# Altium PCB Pi4GPU_v2.PcbDoc (part 1 of 4)
Units mm, origin at the board's own origin, x right, y up, seen from the top; angles counter-clockwise.
Board outline 161.8 x 100 mm, 4 copper layers (L1 [TOP], L2, L3, L4 [BOT]), stack 1.548 mm thick; 279 components, 168 nets, 1059 pads, 1072 vias.
Unrouted connection lines stored in the file: 241.
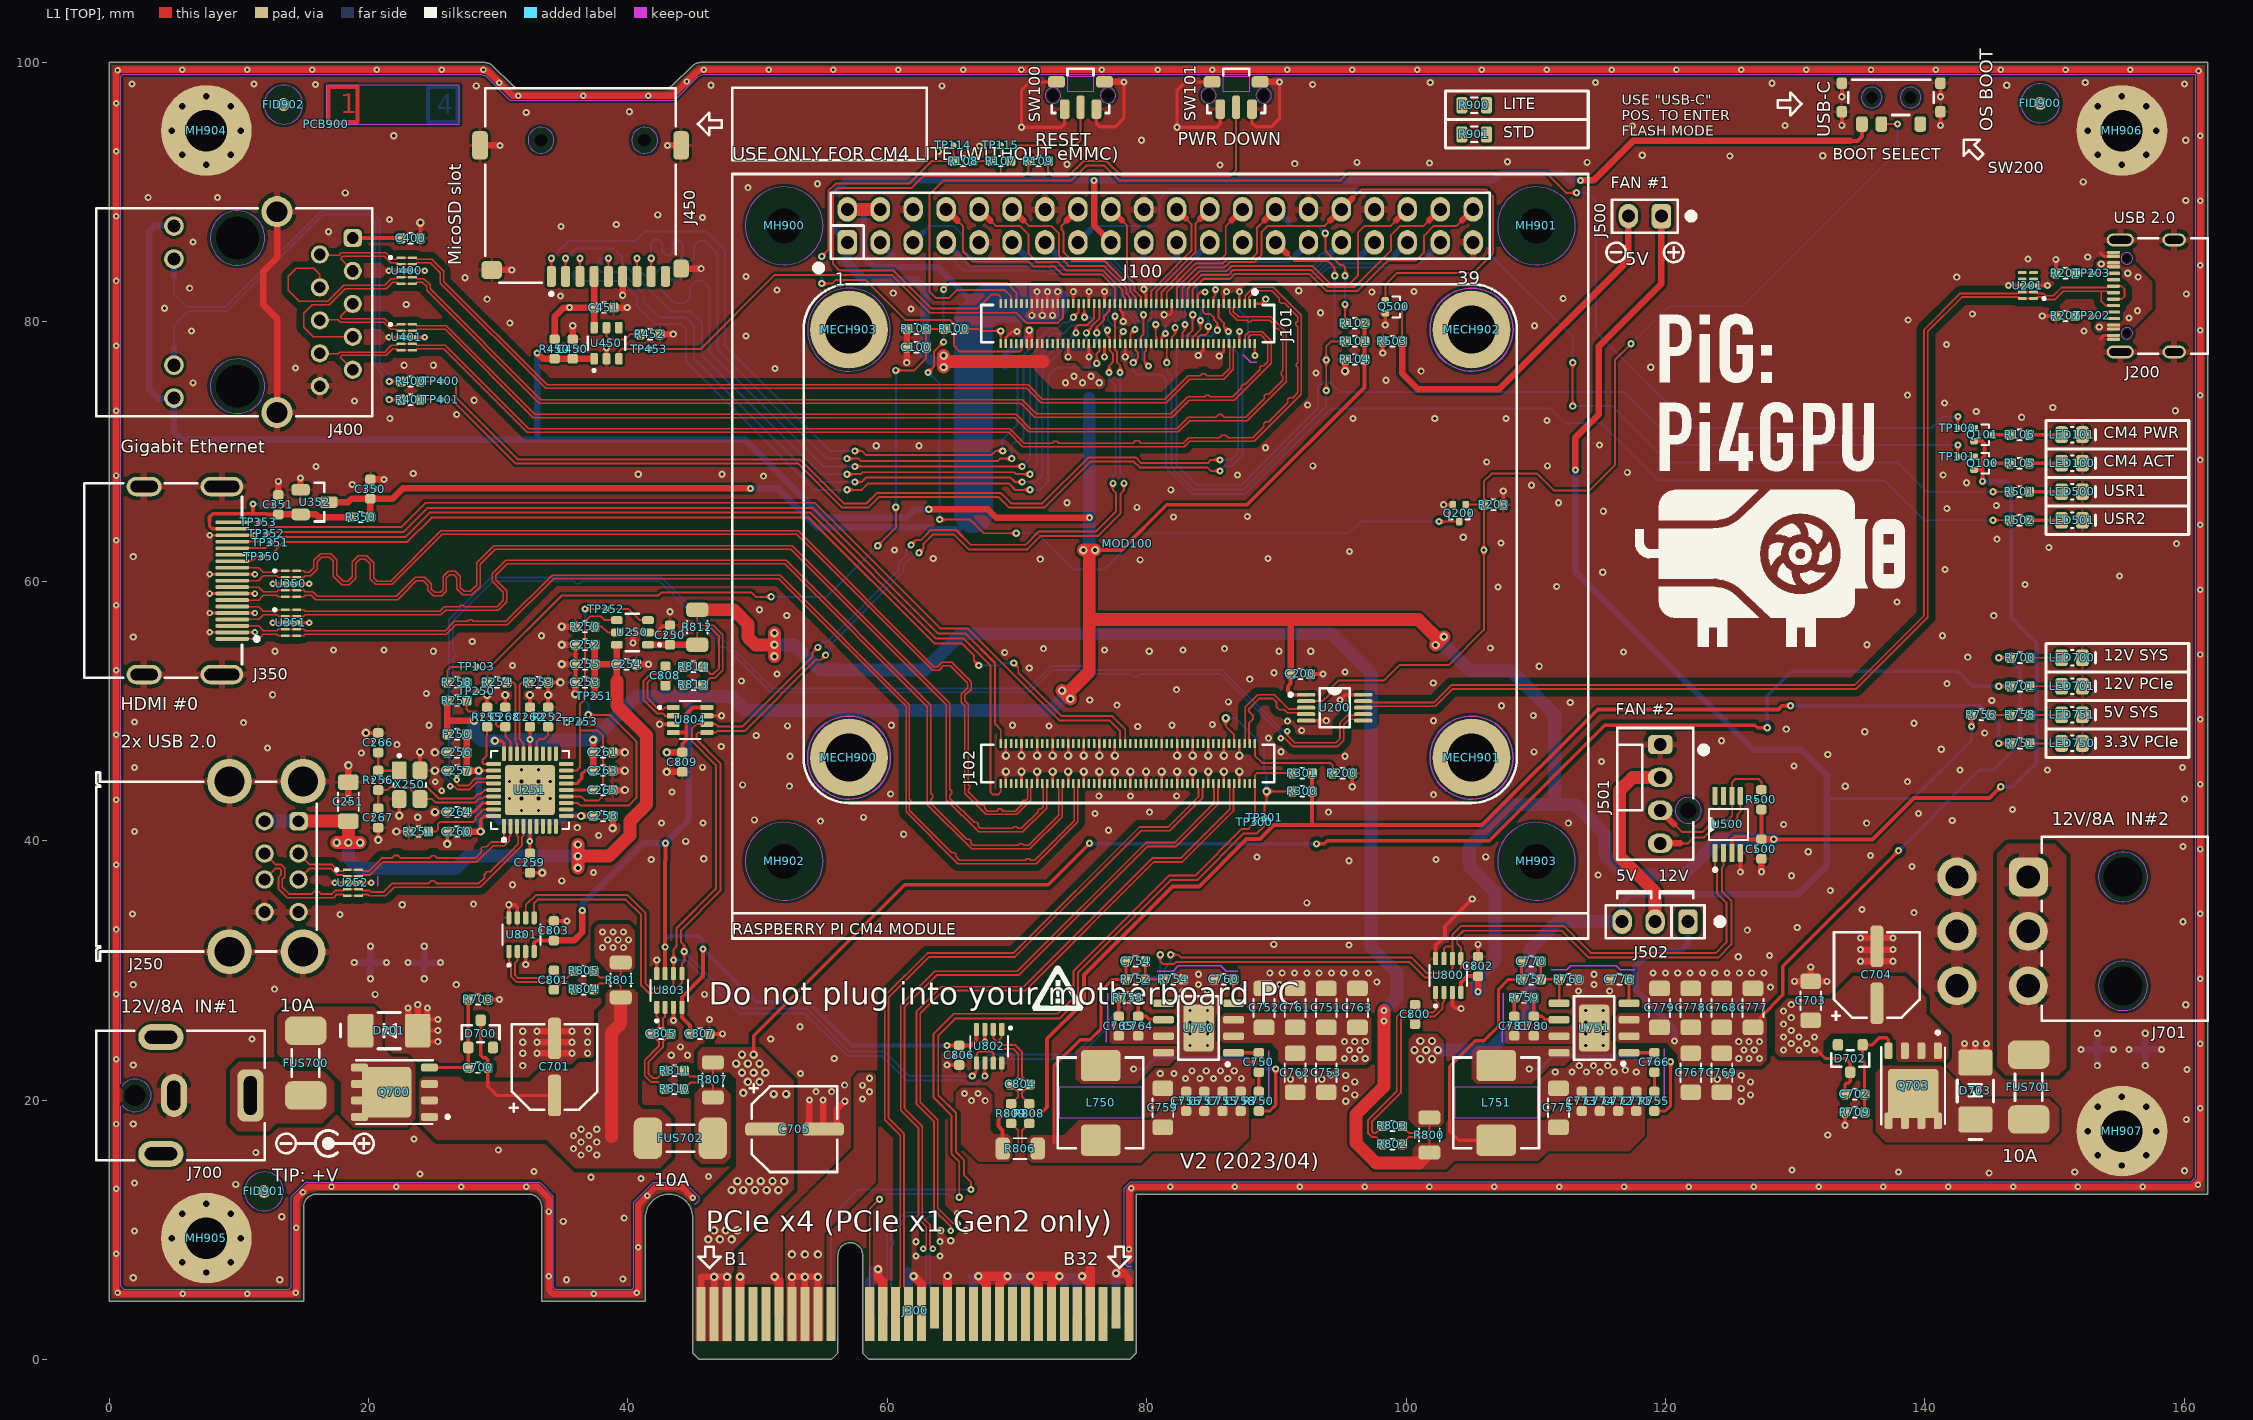
[diagram p0: L1 [TOP] view]
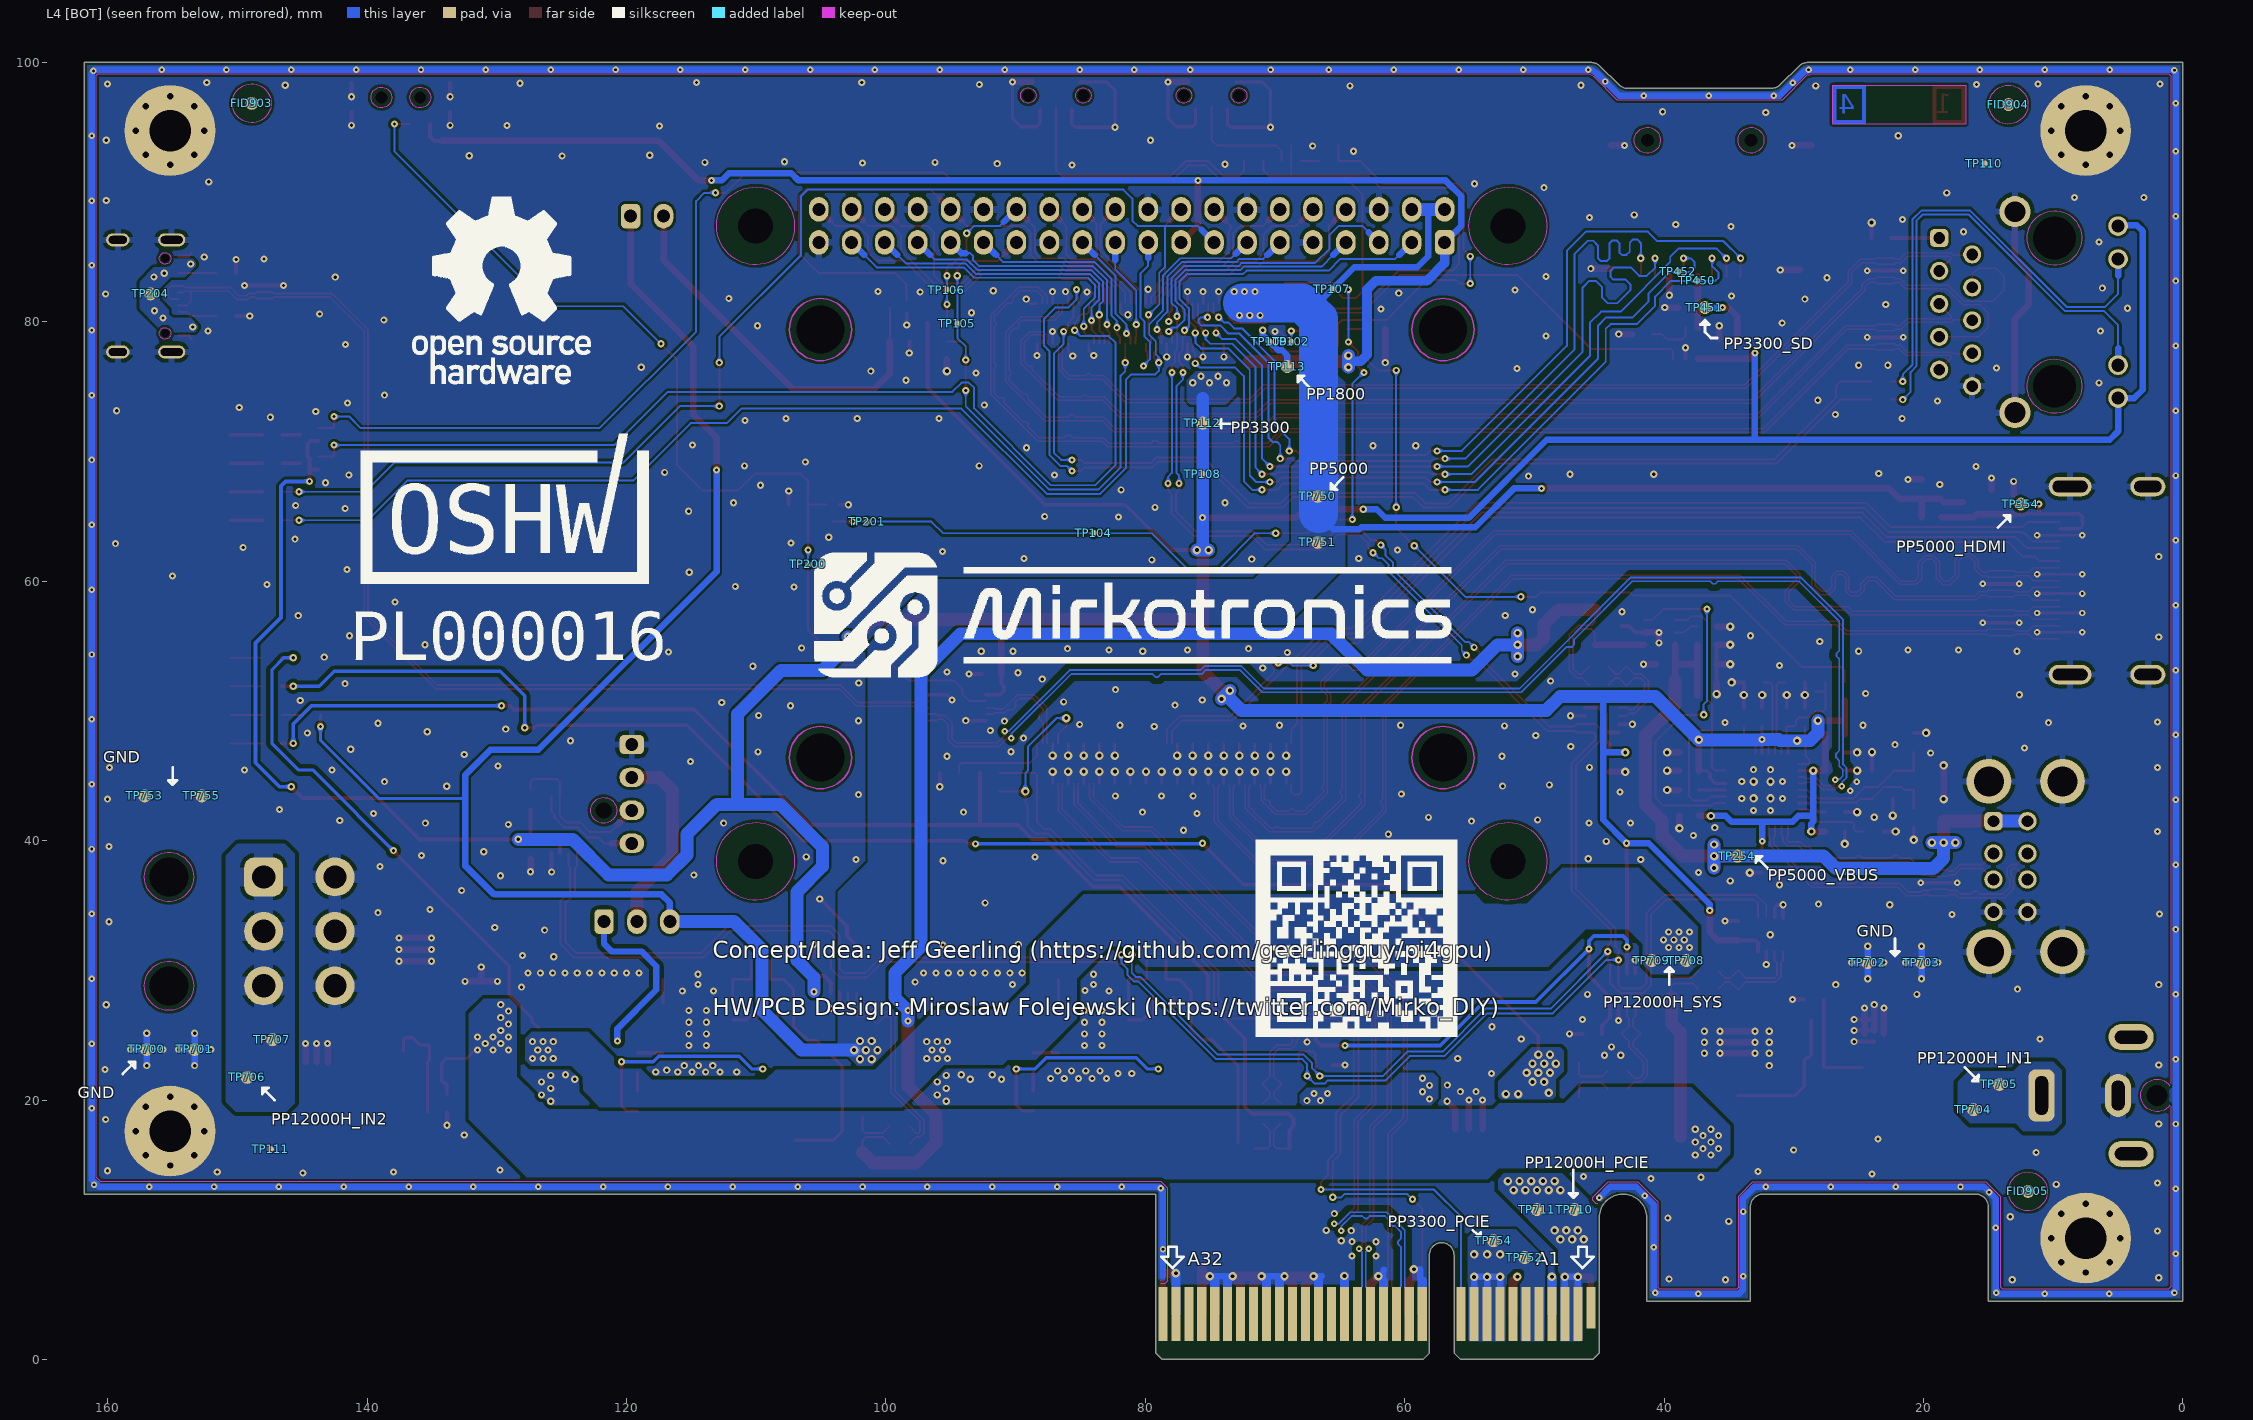
[diagram p1: L4 [BOT] view, seen from below]
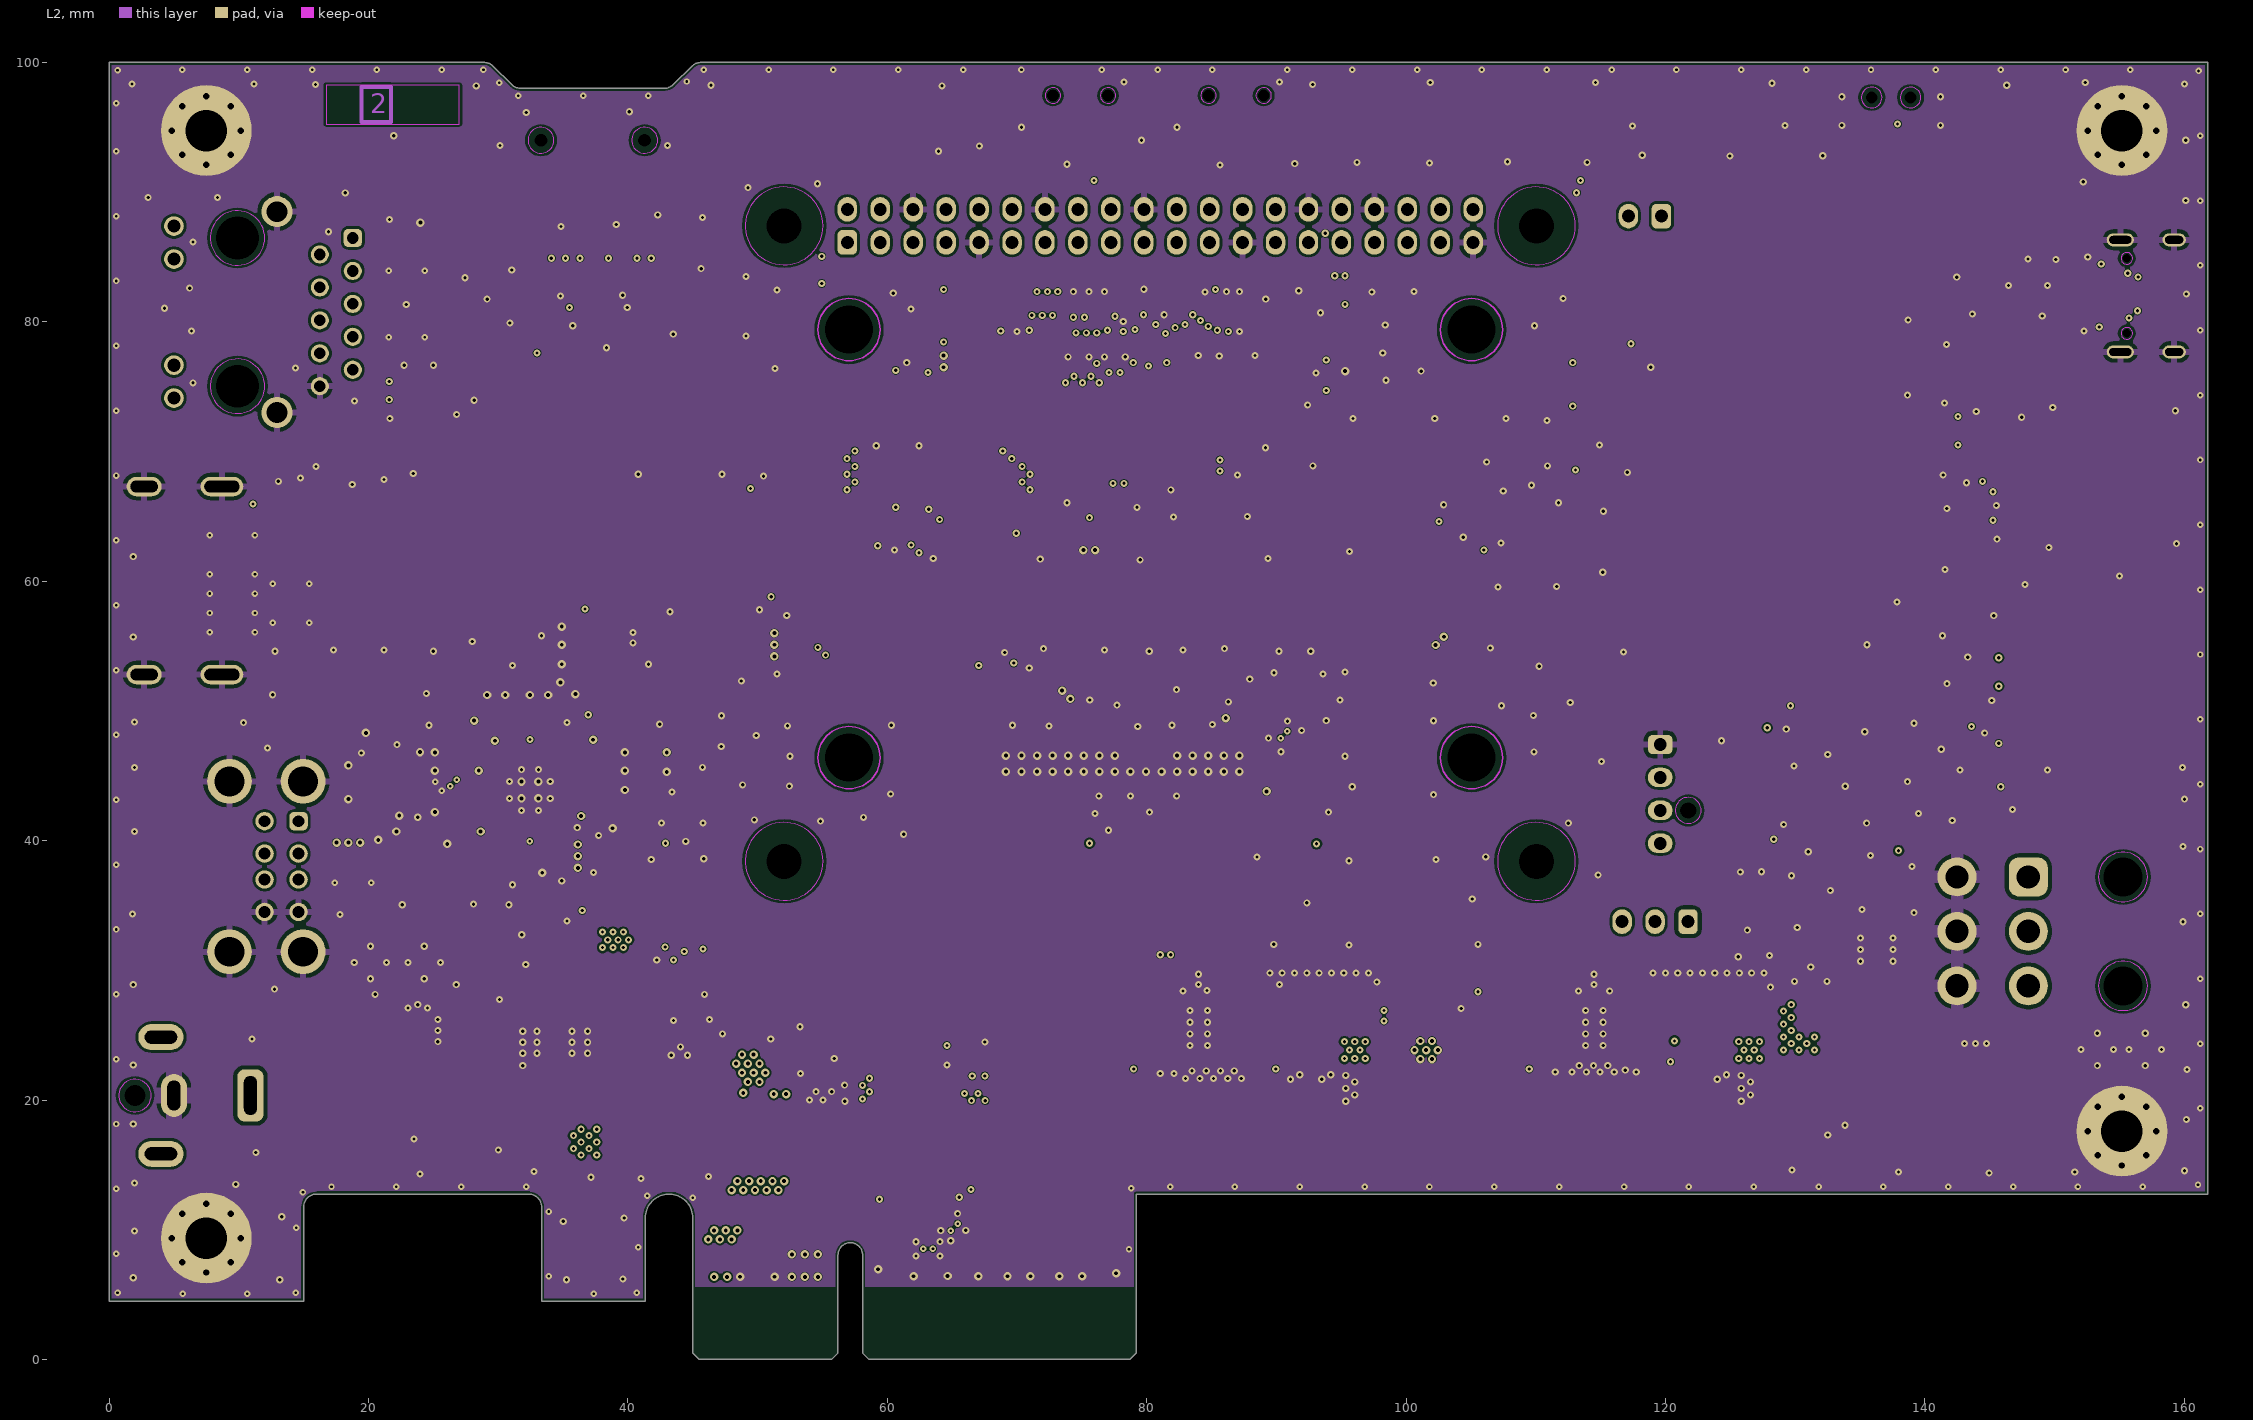
[diagram p2: L2]
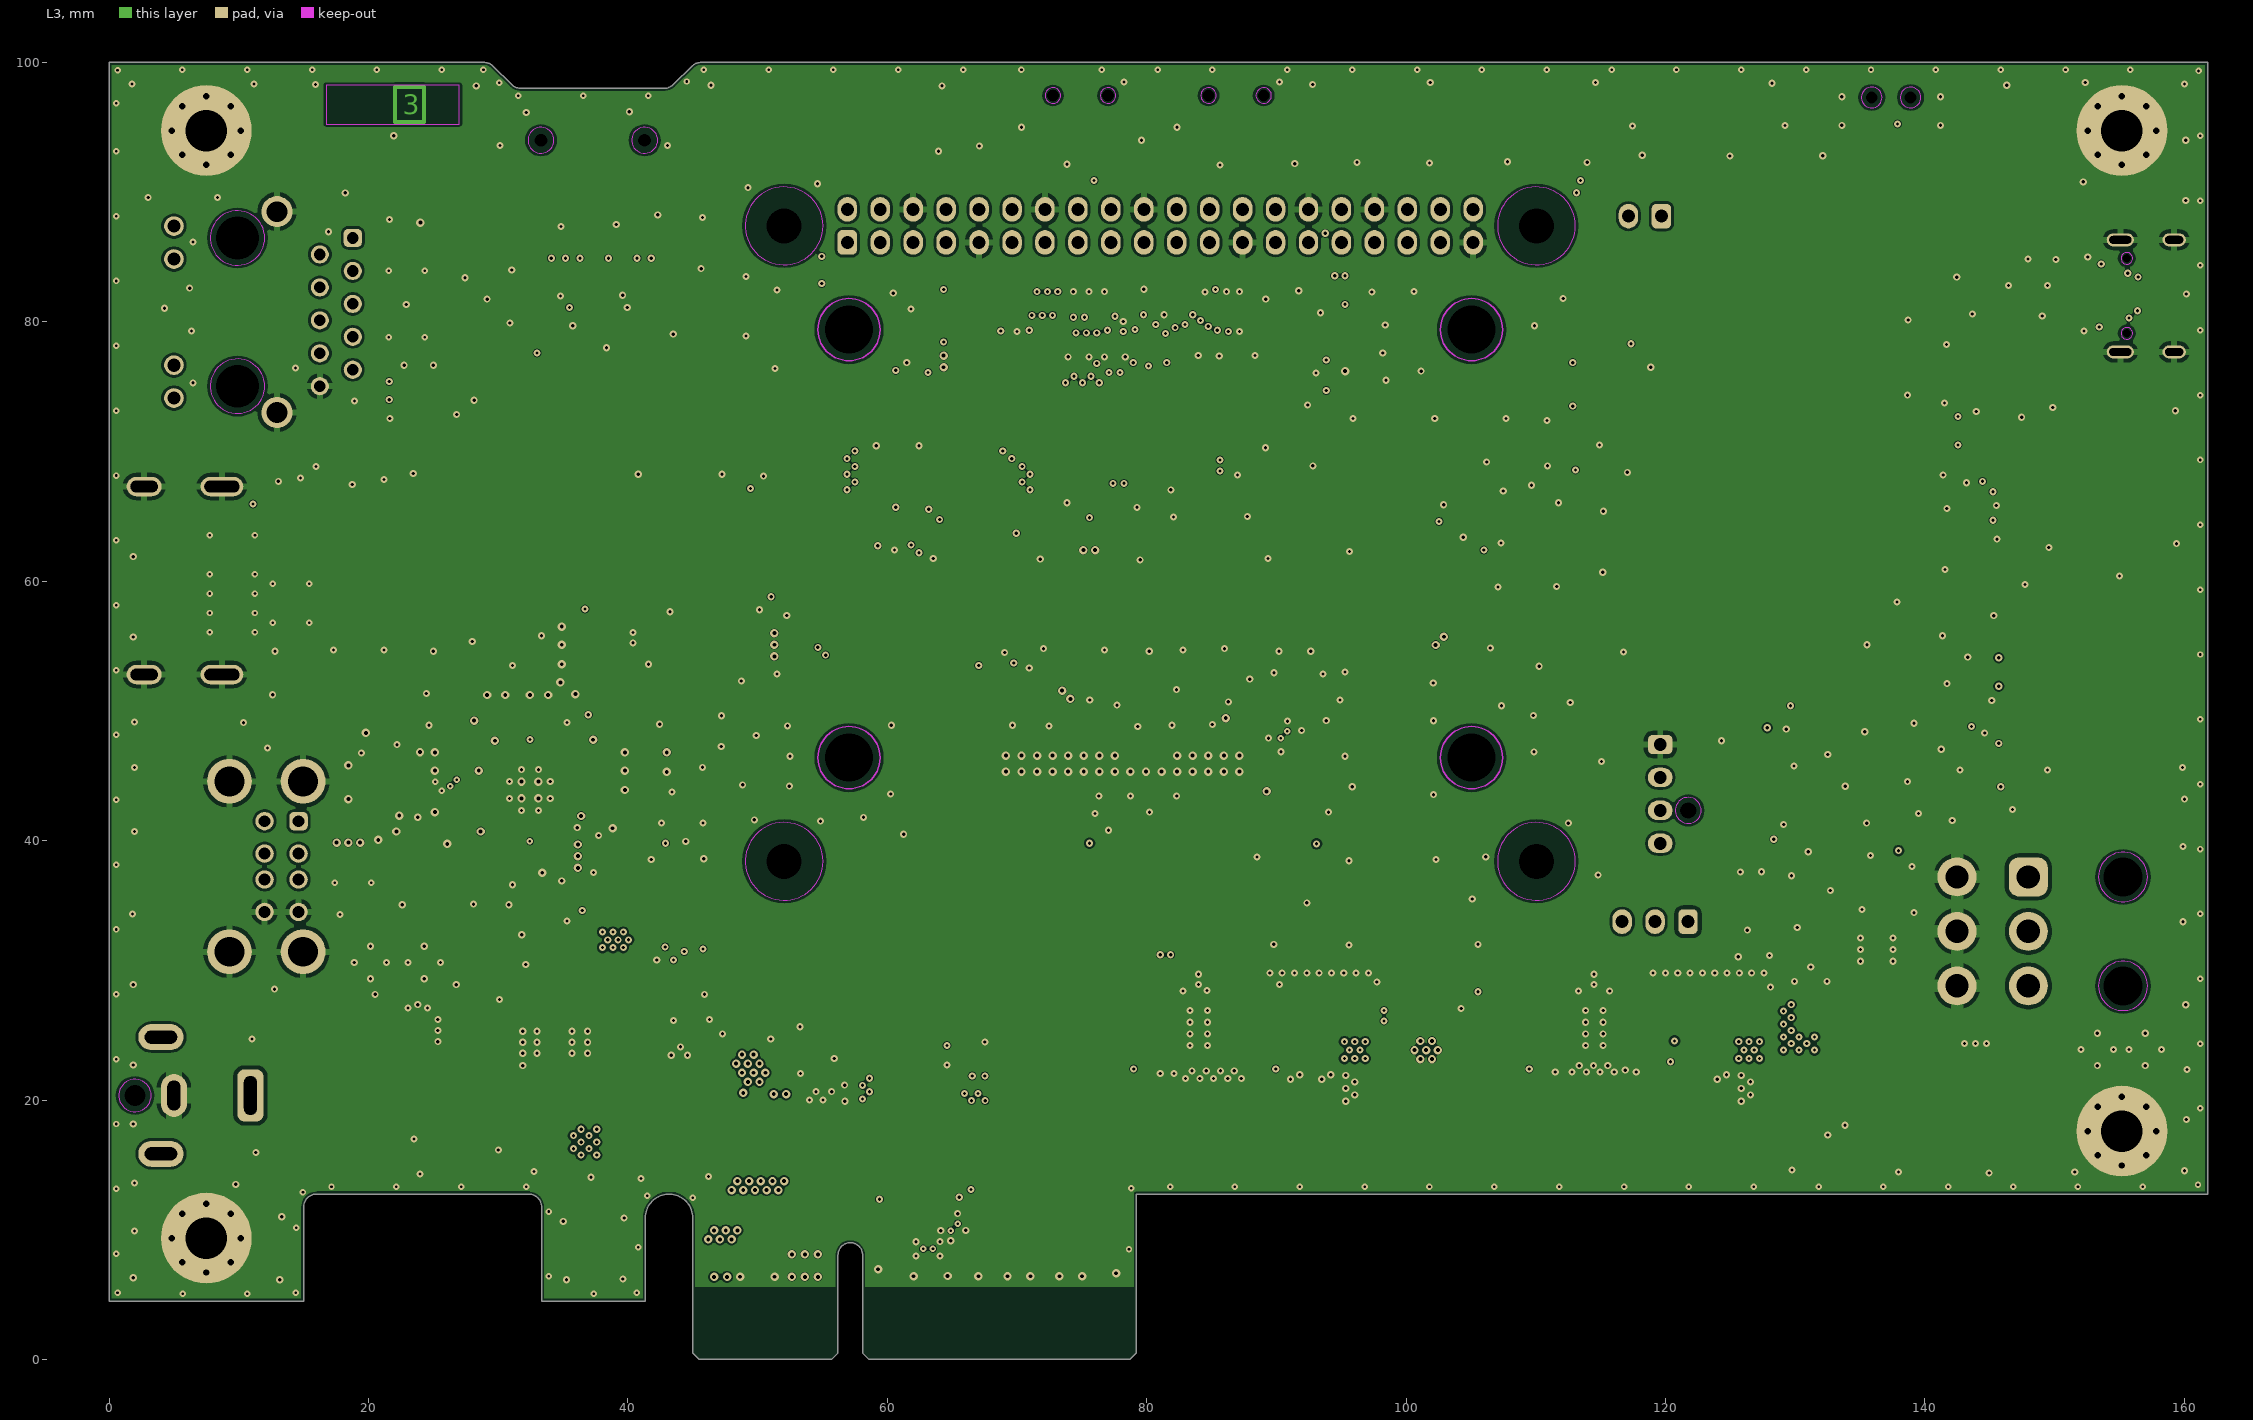
[diagram p3: L3]

## Layer stack, top to bottom
Solder [TOP]: solder mask 0.01, Solder Resist, Dk 3.5
L1 [TOP]: signal copper 0.035
prepreg #1: prepreg 0.089, PP-006, Dk 4.05
L2: signal copper 0.0175
Core: dielectric 1.265, FR-4, Dk 4.05
L3: signal copper 0.0175
prepreg #2: prepreg 0.089, PP-006, Dk 4.05
L4 [BOT]: signal copper 0.035
Solder [BOT]: solder mask 0.01, Solder Resist, Dk 3.5

## Board outline
0,4.5 15,4.5 15,11.75 cw(c16,11.75) 16,12.75 32.35,12.75 cw(c32.35,11.75) 33.35,11.75 33.35,4.5 41.35,4.5 41.35,10.925 cw(c43.175,10.925) 45,10.925 45,0.5 45.5,0 55.7,0 56.2,0.5 56.2,8.05 cw(c57.15,8.05) 58.1,8.05 58.1,0.5 58.6,0 78.7,0 79.2,0.5 79.2,12.75 161.8,12.75 161.8,100 45.65,100 ccw(c45.65,99) 44.943,99.707 43.507,98.293 cw(c42.8,99) 42.8,98 31.75,98 cw(c31.75,99) 31.043,98.293 29.607,99.707 ccw(c28.9,99) 28.9,100 0,100

## Design rules (kind name [scope] priority, off if disabled: settings)
BoardOutlineClearance BoardOutlineClearance_Room_PCIe [WithinRoom('PCIe_TOP') or WithinRoom('PCIe_BOT')] p1: gap=0.1 ignorepadtopadclearanceinfootprint=FALSE
BoardOutlineClearance BoardOutlineClearance_PCIe [InComponent('J300')] p2: gap=0.1 ignorepadtopadclearanceinfootprint=FALSE
BoardOutlineClearance BoardOutlineClearance_PCBEdge [InComponentClass('NearPCBEdge')] p3: gap=0 ignorepadtopadclearanceinfootprint=FALSE
BoardOutlineClearance BoardOutlineClearance_Silk [IsText] p4: gap=0 ignorepadtopadclearanceinfootprint=FALSE
BoardOutlineClearance BoardOutlineClearance_GND [InNet('GND')] p5: gap=0.2 ignorepadtopadclearanceinfootprint=FALSE
BoardOutlineClearance [All] p6: gap=0.2 ignorepadtopadclearanceinfootprint=FALSE
Clearance Clearance_12V_GND [InNetClass('12VDC')] p1: gap=0.3 ignorepadtopadclearanceinfootprint=FALSE
Clearance Clearance_PCB900 [InComponent('PCB900') vs InComponent('PCB900')] p2: gap=0 ignorepadtopadclearanceinfootprint=FALSE
Clearance Clearance_Diff_to_Plane [(InDifferentialPairClass('All Differential Pairs') AND OnLayer('L1 [TOP]')) OR (InDifferentialPairClass('All Differential Pairs') AND OnLayer('L4 [BOT]')) vs (OnLayer('L1 [TOP]') AND InPolygon) OR (OnLayer('L4 [BOT]') AND InPolygon)] p3: gap=0.5 ignorepadtopadclearanceinfootprint=FALSE
Clearance Clearance_Diff [InAnyDifferentialPair vs InAnyDifferentialPair] p4 off: gap=0.75 ignorepadtopadclearanceinfootprint=FALSE // Diff_pair
Clearance Clearance_polygon [InPolygon] p5: gap=0.2 ignorepadtopadclearanceinfootprint=FALSE
Clearance [All] p6: gap=0.15 ignorepadtopadclearanceinfootprint=FALSE
DiffPairsRouting DiffPairsRouting_100R [InDifferentialPairClass('ETH') or InDifferentialPairClass('HDMI')] p1: maxlimit=0.254 minlimit=0.152 mostfreqgap=0.254 toplayer_maxgap=0.152 toplayer_prefgap=0.152 toplayer_minwidth=0.111 toplayer_maxwidth=0.112 toplayer_prefwidth=0.111 midlayer1_minwidth=0.381 midlayer1_maxwidth=0.381 midlayer1_prefwidth=0.381 midlayer2_minwidth=0.381 midlayer2_maxwidth=0.381 midlayer2_prefwidth=0.381 bottomlayer_maxgap=0.152 bottomlayer_prefgap=0.152 bottomlayer_minwidth=0.111 bottomlayer_maxwidth=0.112 bottomlayer_prefwidth=0.111 maxuncoupledlength=12.7 // Camera
DiffPairsRouting DiffPairsRouting_90R [InDifferentialPairClass('USB') or InDifferentialPairClass('PCIE')] p2: maxlimit=0.254 minlimit=0.152 mostfreqgap=0.254 toplayer_maxgap=0.152 toplayer_prefgap=0.152 toplayer_minwidth=0.141 toplayer_maxwidth=0.141 toplayer_prefwidth=0.141 midlayer1_minwidth=0.381 midlayer1_maxwidth=0.381 midlayer1_prefwidth=0.381 midlayer2_minwidth=0.381 midlayer2_maxwidth=0.381 midlayer2_prefwidth=0.381 bottomlayer_maxgap=0.152 bottomlayer_prefgap=0.152 bottomlayer_minwidth=0.141 bottomlayer_maxwidth=0.141 bottomlayer_prefwidth=0.141 maxuncoupledlength=12.7 // USB
DiffPairsRouting [All] p3: maxlimit=0.254 minlimit=0.254 mostfreqgap=0.254 toplayer_minwidth=0.381 toplayer_maxwidth=0.381 toplayer_prefwidth=0.381 midlayer1_minwidth=0.381 midlayer1_maxwidth=0.381 midlayer1_prefwidth=0.381 midlayer2_minwidth=0.381 midlayer2_maxwidth=0.381 midlayer2_prefwidth=0.381 bottomlayer_minwidth=0.381 bottomlayer_maxwidth=0.381 bottomlayer_prefwidth=0.381 maxuncoupledlength=12.7
HoleSize [All] p1: absolutevalues=TRUE maxlimit=5 minlimit=0.2 maxpercent=80.000 minpercent=20.000
HoleToHoleClearance [All] p1: gap=0.4 allowstackedmicrovias=TRUE
MatchedLengths MatchedLengths_DiffPair [InDifferentialPairClass('All Differential Pairs')] p1: tolerance=0.1 checknetsindiffpair=TRUE checkdiffpairvsdiffpair=FALSE checkxsignals=FALSE checkothers=FALSE
MatchedLengths MatchedLengths_PCIe [InDifferentialPairClass('PCIE')] p2: tolerance=10 checknetsindiffpair=FALSE checkdiffpairvsdiffpair=TRUE checkxsignals=TRUE checkothers=TRUE
MatchedLengths MatchedLengths_ETH [InDifferentialPairClass('ETH')] p3: tolerance=20 checknetsindiffpair=FALSE checkdiffpairvsdiffpair=TRUE checkxsignals=TRUE checkothers=TRUE
MatchedLengths MatchedLengths_SD [InNetClass('SD')] p4: tolerance=1 checknetsindiffpair=FALSE checkdiffpairvsdiffpair=TRUE checkxsignals=TRUE checkothers=TRUE
MatchedLengths MatchedLengths_HDMI [InDifferentialPairClass('HDMI0')] p5: tolerance=3 checknetsindiffpair=FALSE checkdiffpairvsdiffpair=TRUE checkxsignals=TRUE checkothers=TRUE
MinimumAnnularRing [All] p1: minimumring=0.1
MinimumSolderMaskSliver [All] p1: minsoldermaskwidth=0.05
PlaneClearance [All] p1: clearance=0.5
PlaneConnect [All] p1: planeconnectstyle=Relief reliefexpansion=0.5 reliefentries=4 reliefconductorwidth=0.5 reliefairgap=0.3
PolygonConnect PolygonConnect_TP [HasFootprint('PCB_TP_DBG_50') vs InNet('GND')] p1: connectstyle=Direct reliefconductorwidth=0.254 reliefentries=4 polygonreliefangle="90 Angle" airgapwidth=0.254
PolygonConnect PolygonConnect_via [IsVia] p2: connectstyle=Direct reliefconductorwidth=0.254 reliefentries=4 polygonreliefangle="90 Angle" airgapwidth=0.254
PolygonConnect [All] p3: thpad.connectstyle=Relief thpad.reliefconductorwidth=0.5 thpad.reliefentries=4 thpad.polygonreliefangle="90 Angle" thpad.airgapwidth=0.3 smdpad.connectstyle=Relief smdpad.reliefconductorwidth=0.25 smdpad.reliefentries=4 smdpad.polygonreliefangle="90 Angle" smdpad.airgapwidth=0.2 via.connectstyle=Direct via.reliefconductorwidth=0.2 via.reliefentries=4 via.polygonreliefangle="90 Angle" via.airgapwidth=0.3
RoomDefinition PCIe_BOT [False] p1: confinementstyle=ConfineIn formatcopy=TRUE lockcomponents=FALSE outline 45,0 79.2,0 79.2,5.6 45,5.6
RoomDefinition PCIe_TOP [False] p2: confinementstyle=ConfineIn formatcopy=TRUE lockcomponents=FALSE outline 45,0 79.2,0 79.2,5.6 45,5.6
RoutingVias [All] p1: holewidth=0.25 width=0.55 viastyle="Through Hole" minholewidth=0.2 minwidth=0.5 maxholewidth=0.5 maxwidth=1
SilkToSilkClearance [All] p1: silktosilkclearance=0.15
SilkToSolderMaskClearance [IsPad] p1: minsilkscreentomaskgap=0.1 clearancetoexposedcopper=TRUE
SolderMaskExpansion SolderMaskExpansion_via [IsVia] p1: expansion=-10 istentingtop=FALSE
SolderMaskExpansion [All] p2: expansion=0.05 istentingtop=FALSE
Width [All] p1: maxlimit=4 minlimit=0.1 preferedwidth=0.2
22 further rules are at their usual default settings.

## Classes and differential pairs
component class NearPCBEdge: J200 J250 J350 J400 J450 J700 J701
net class SD: CM_SD_CLK CM_SD_CMD CM_SD_DAT0 CM_SD_DAT1 CM_SD_DAT2 CM_SD_DAT3
net class 12VDC: PP12000H_IN1 PP12000H_IN2 PP12000H_PCIE PP12000H_PCIE_R PP12000H_SYS PP12000H_SYS_R
differential pair class HDMI: CM_HDMI0_CLK CM_HDMI0_D0 CM_HDMI0_D1 CM_HDMI0_D2
differential pair class ETH: ETH_D0 ETH_D1 ETH_D2 ETH_D3
differential pair class PCIE: PCIe_CLK PCIe_RX PCIe_TX
differential pair class USB: CM_USB_D USB1 USB2 USB-C_D USB-H
differential pair USB-H: +USB-H_P -USB-H_N
differential pair USB-C_D: +USB-C_D_P -USB-C_D_N
differential pair USB2: +USB2_P -USB2_N
differential pair USB1: +USB1_P -USB1_N
differential pair PCIe_TX: +PCIe_TX_P -PCIe_TX_N
differential pair PCIe_RX: +PCIe_RX_P -PCIe_RX_N
differential pair PCIe_CLK: +PCIe_CLK_P -PCIe_CLK_N
differential pair ETH_D3: +ETH_D3_P -ETH_D3_N
differential pair ETH_D2: +ETH_D2_P -ETH_D2_N
differential pair ETH_D1: +ETH_D1_P -ETH_D1_N
differential pair ETH_D0: +ETH_D0_P -ETH_D0_N
differential pair CM_USB_D: +CM_USB_D_P -CM_USB_D_N
differential pair CM_HDMI0_D2: +CM_HDMI0_D2_P -CM_HDMI0_D2_N
differential pair CM_HDMI0_D1: +CM_HDMI0_D1_P -CM_HDMI0_D1_N
differential pair CM_HDMI0_D0: +CM_HDMI0_D0_P -CM_HDMI0_D0_N
differential pair CM_HDMI0_CLK: +CM_HDMI0_CLK_P -CM_HDMI0_CLK_N
